# Altium PCB XTRXr5.PcbDoc (part 1 of 5)
Units mm, origin at the board's own origin, x right, y up, seen from the top; angles counter-clockwise.
Board outline 50.8 x 29.7 mm, 8 copper layers (Top Layer, Layer 2 Plain, Layer 3, Layer 4, Layer 5 Plane, Layer 6, Layer 7 Plane, Bottom Layer), stack 1.008 mm thick; 452 components, 359 nets, 1868 pads, 1040 vias.
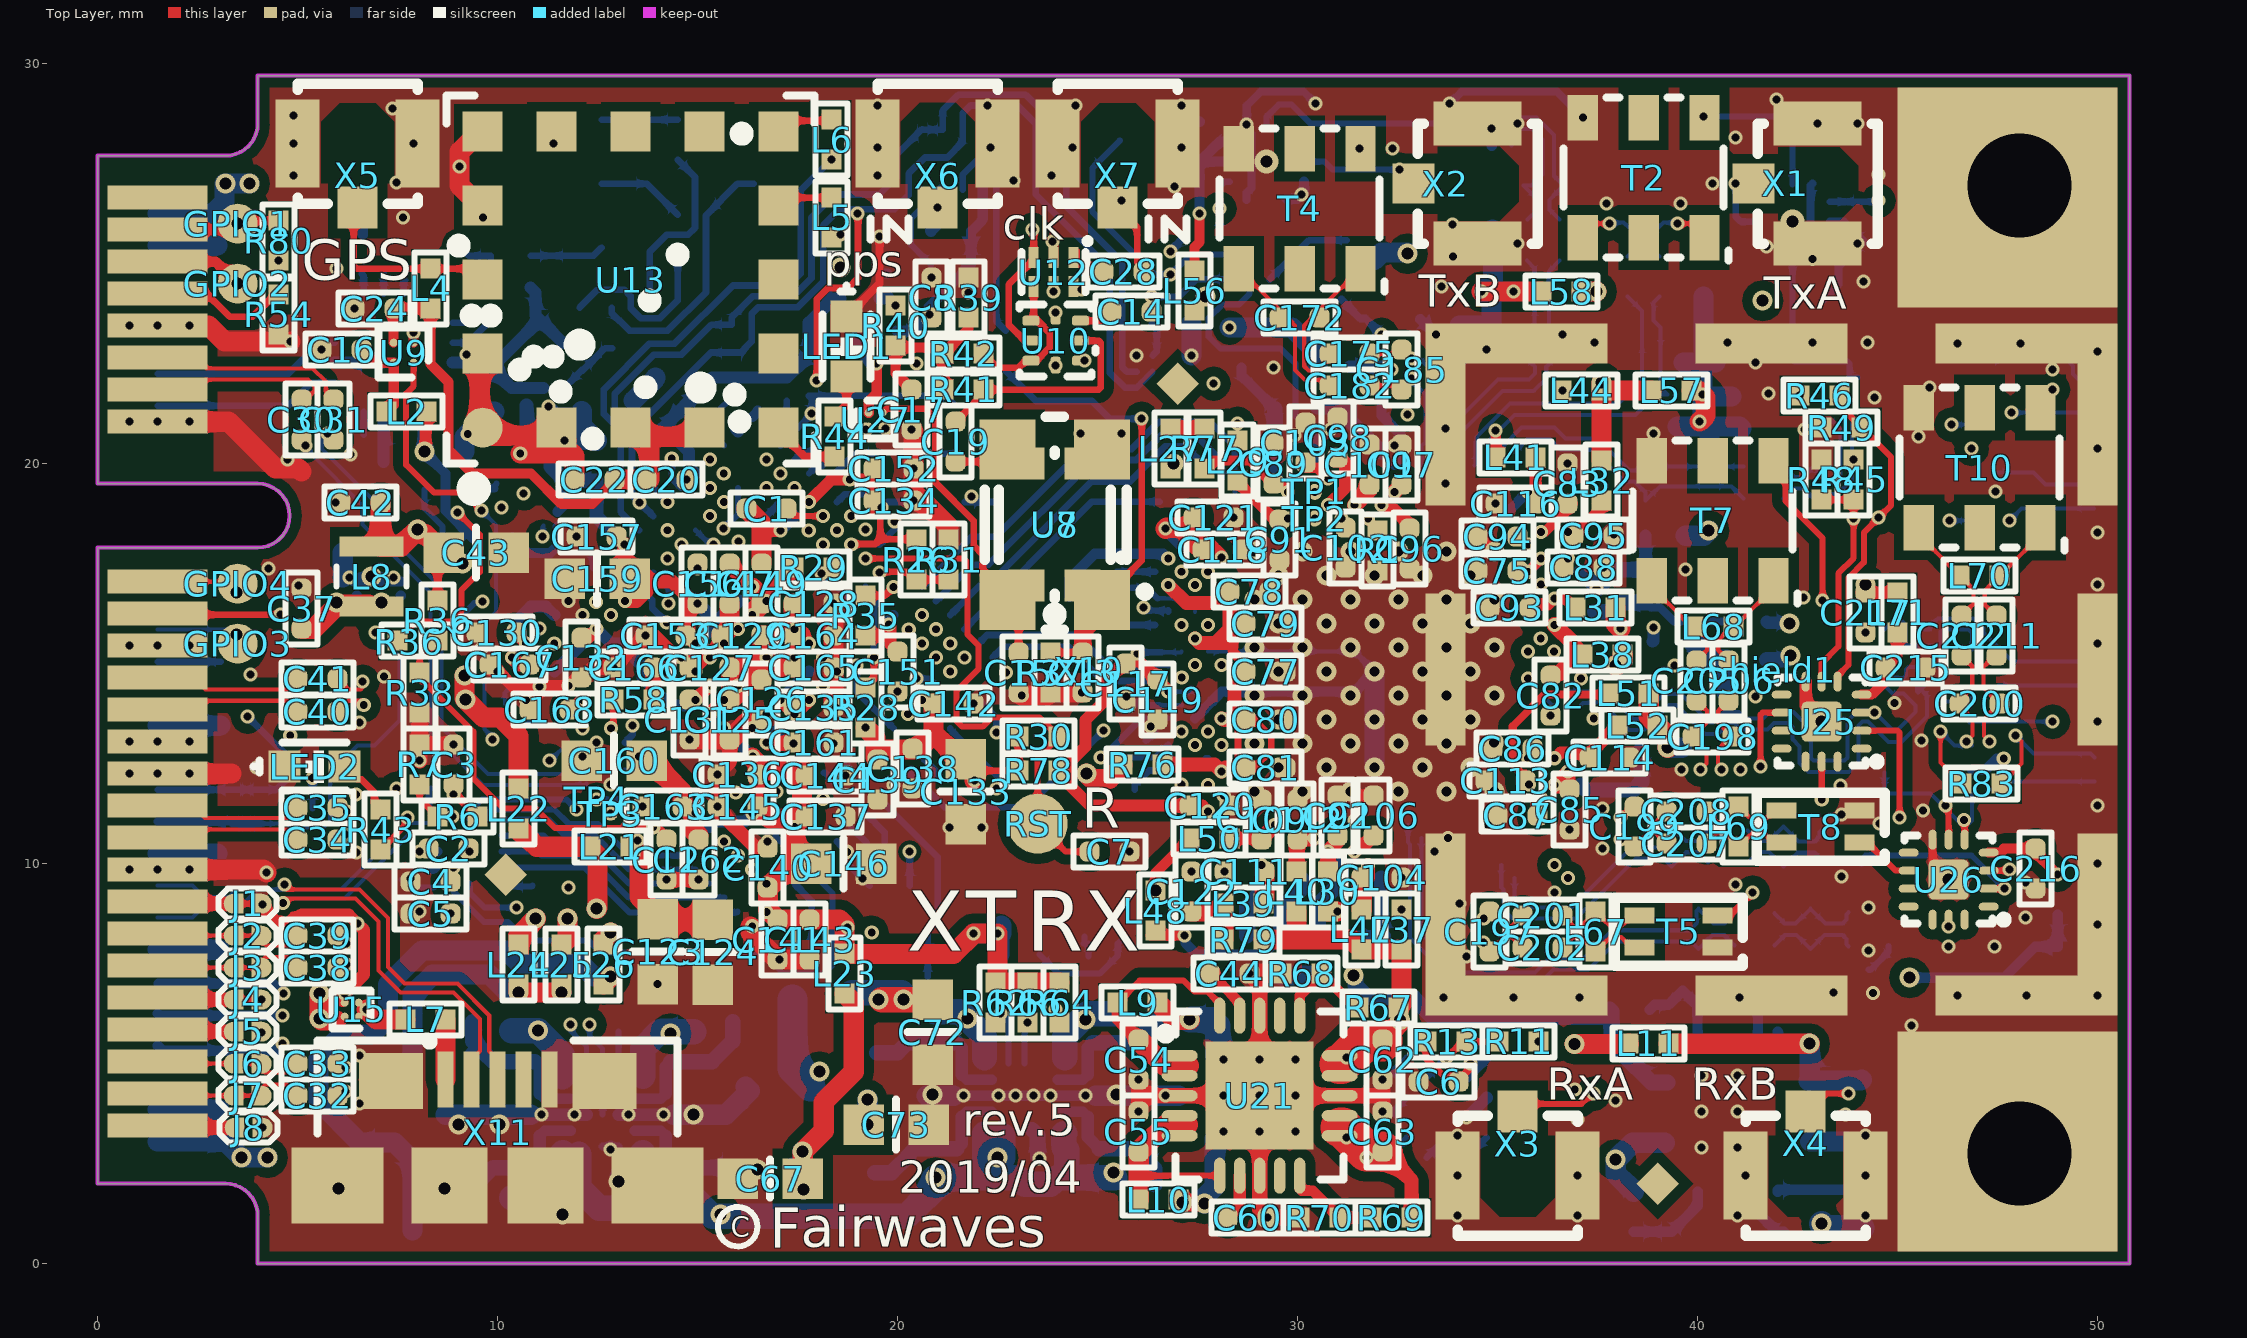
[diagram p0: Top Layer view]
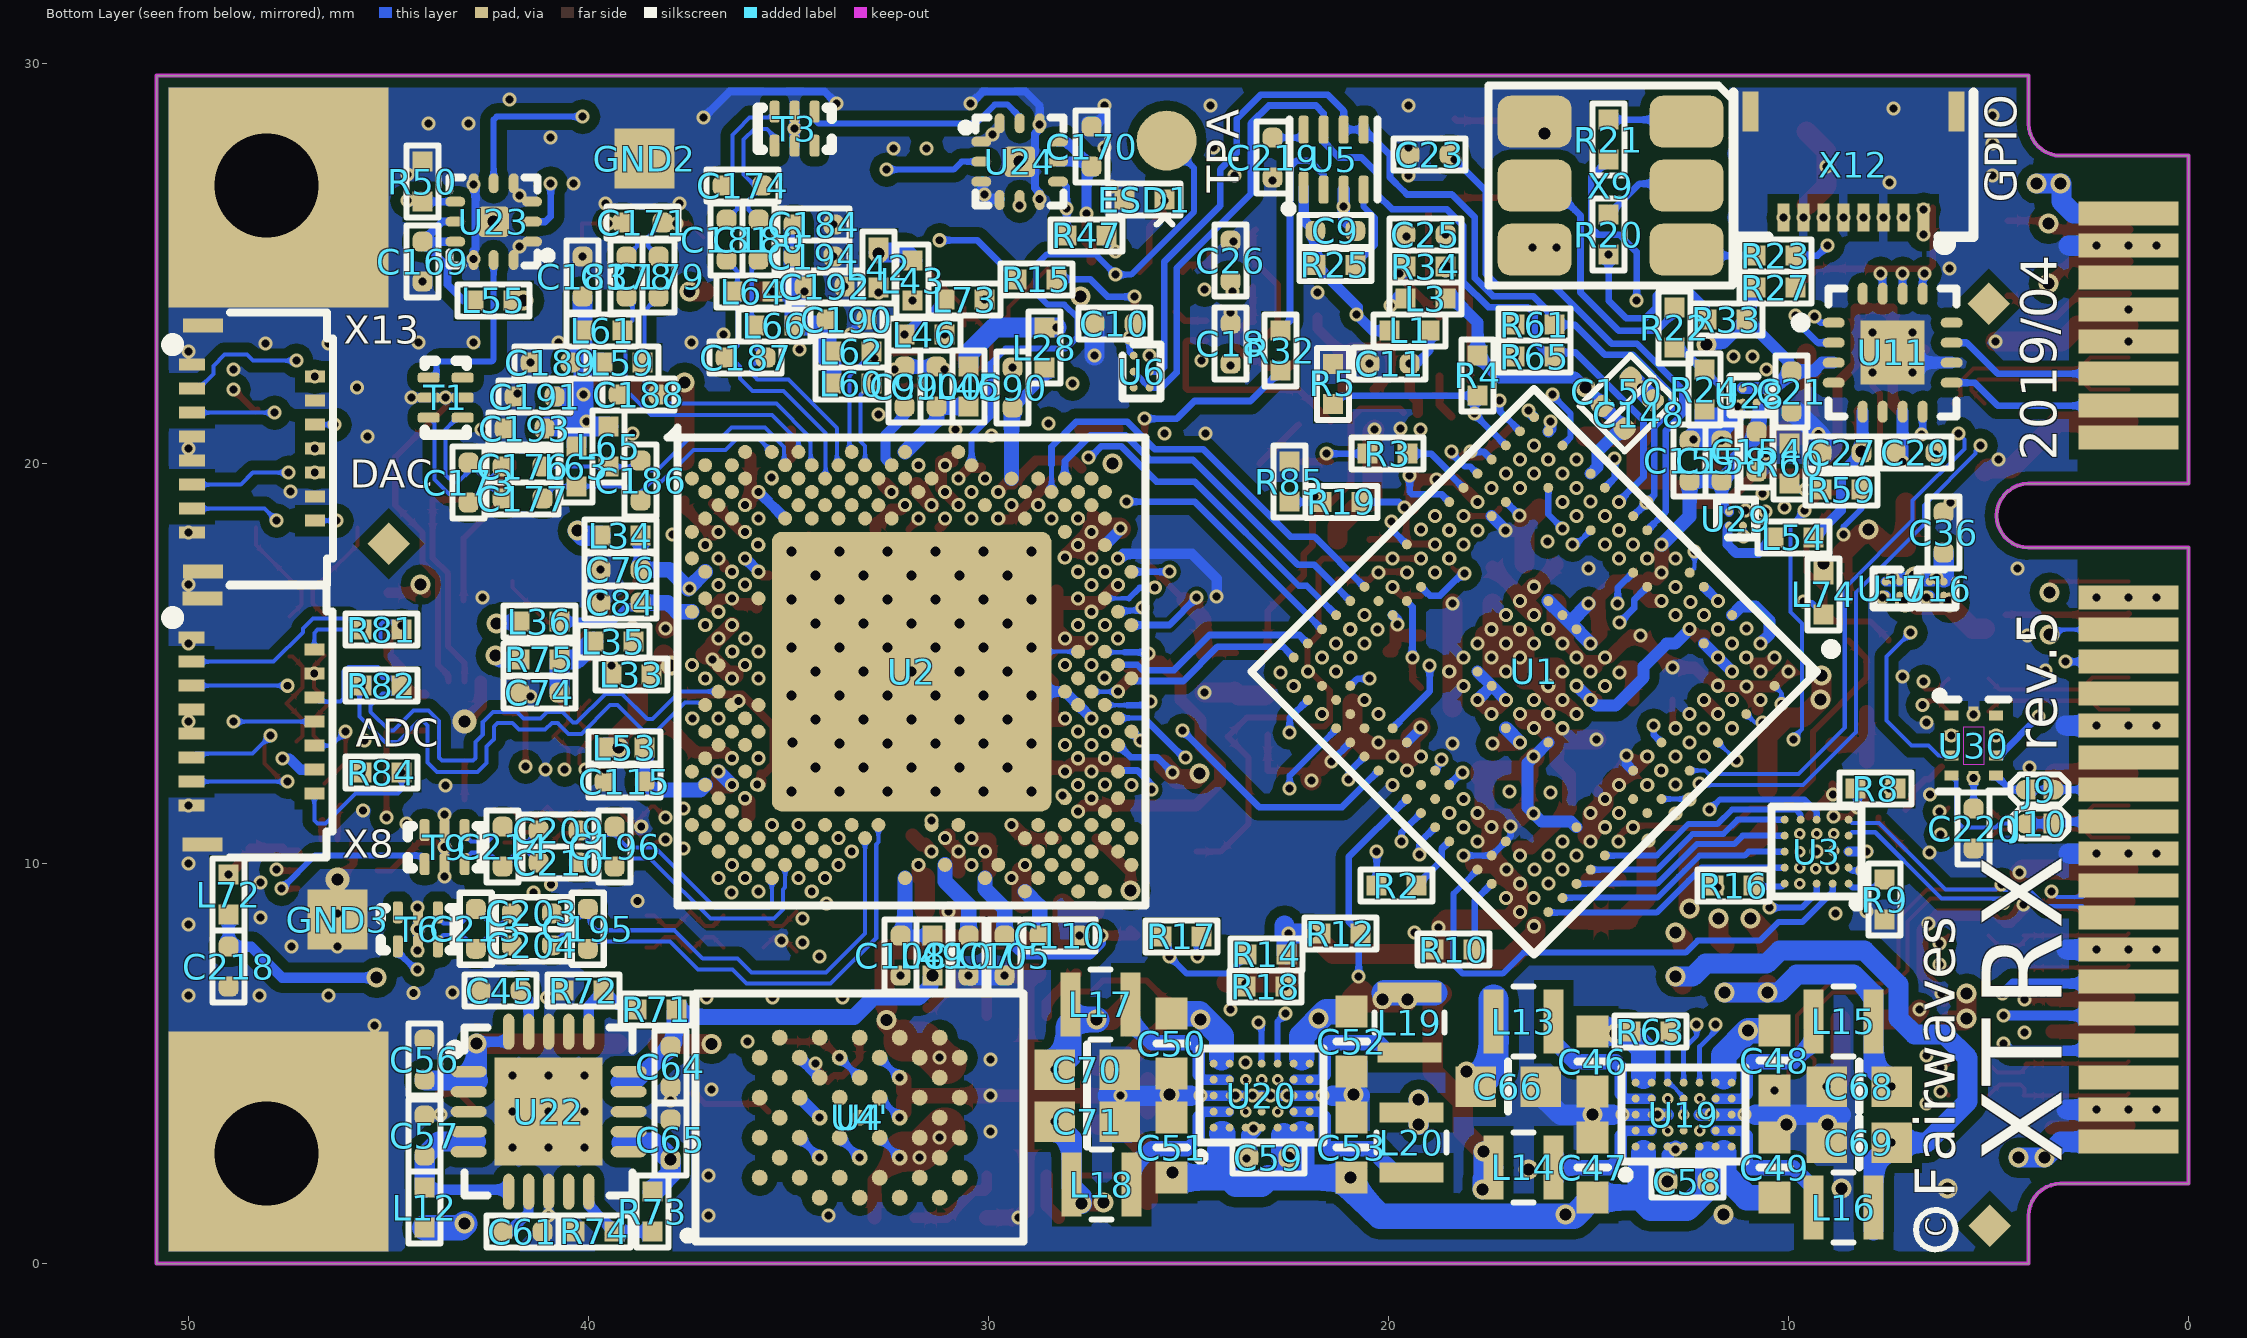
[diagram p1: Bottom Layer view, seen from below]
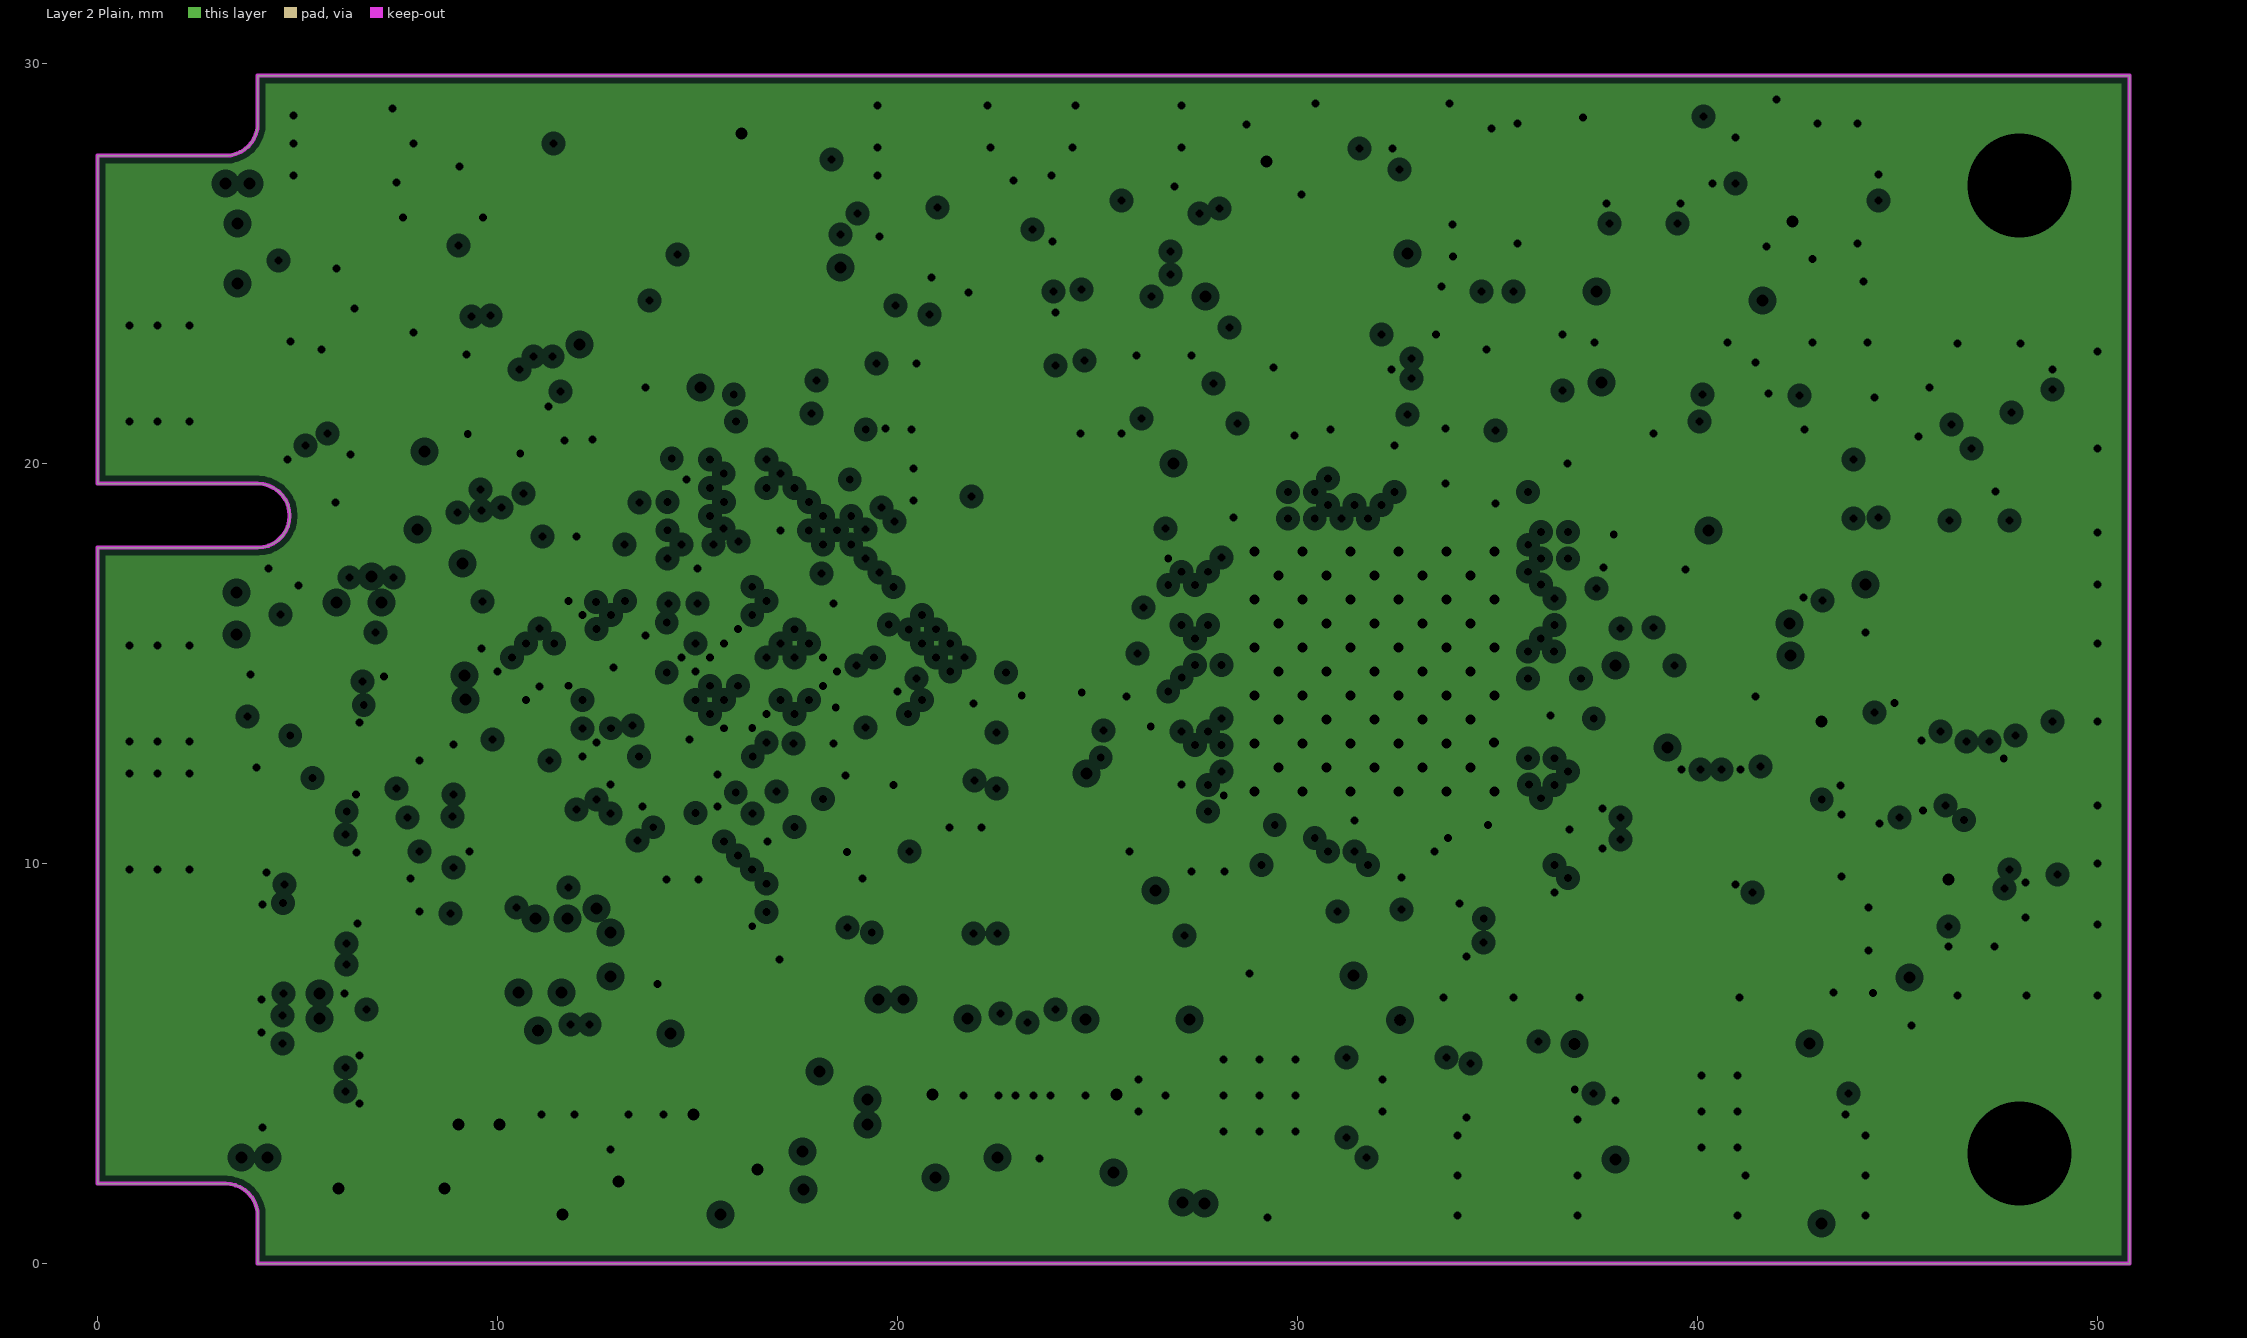
[diagram p2: Layer 2 Plain, clearances drawn from the general rule]
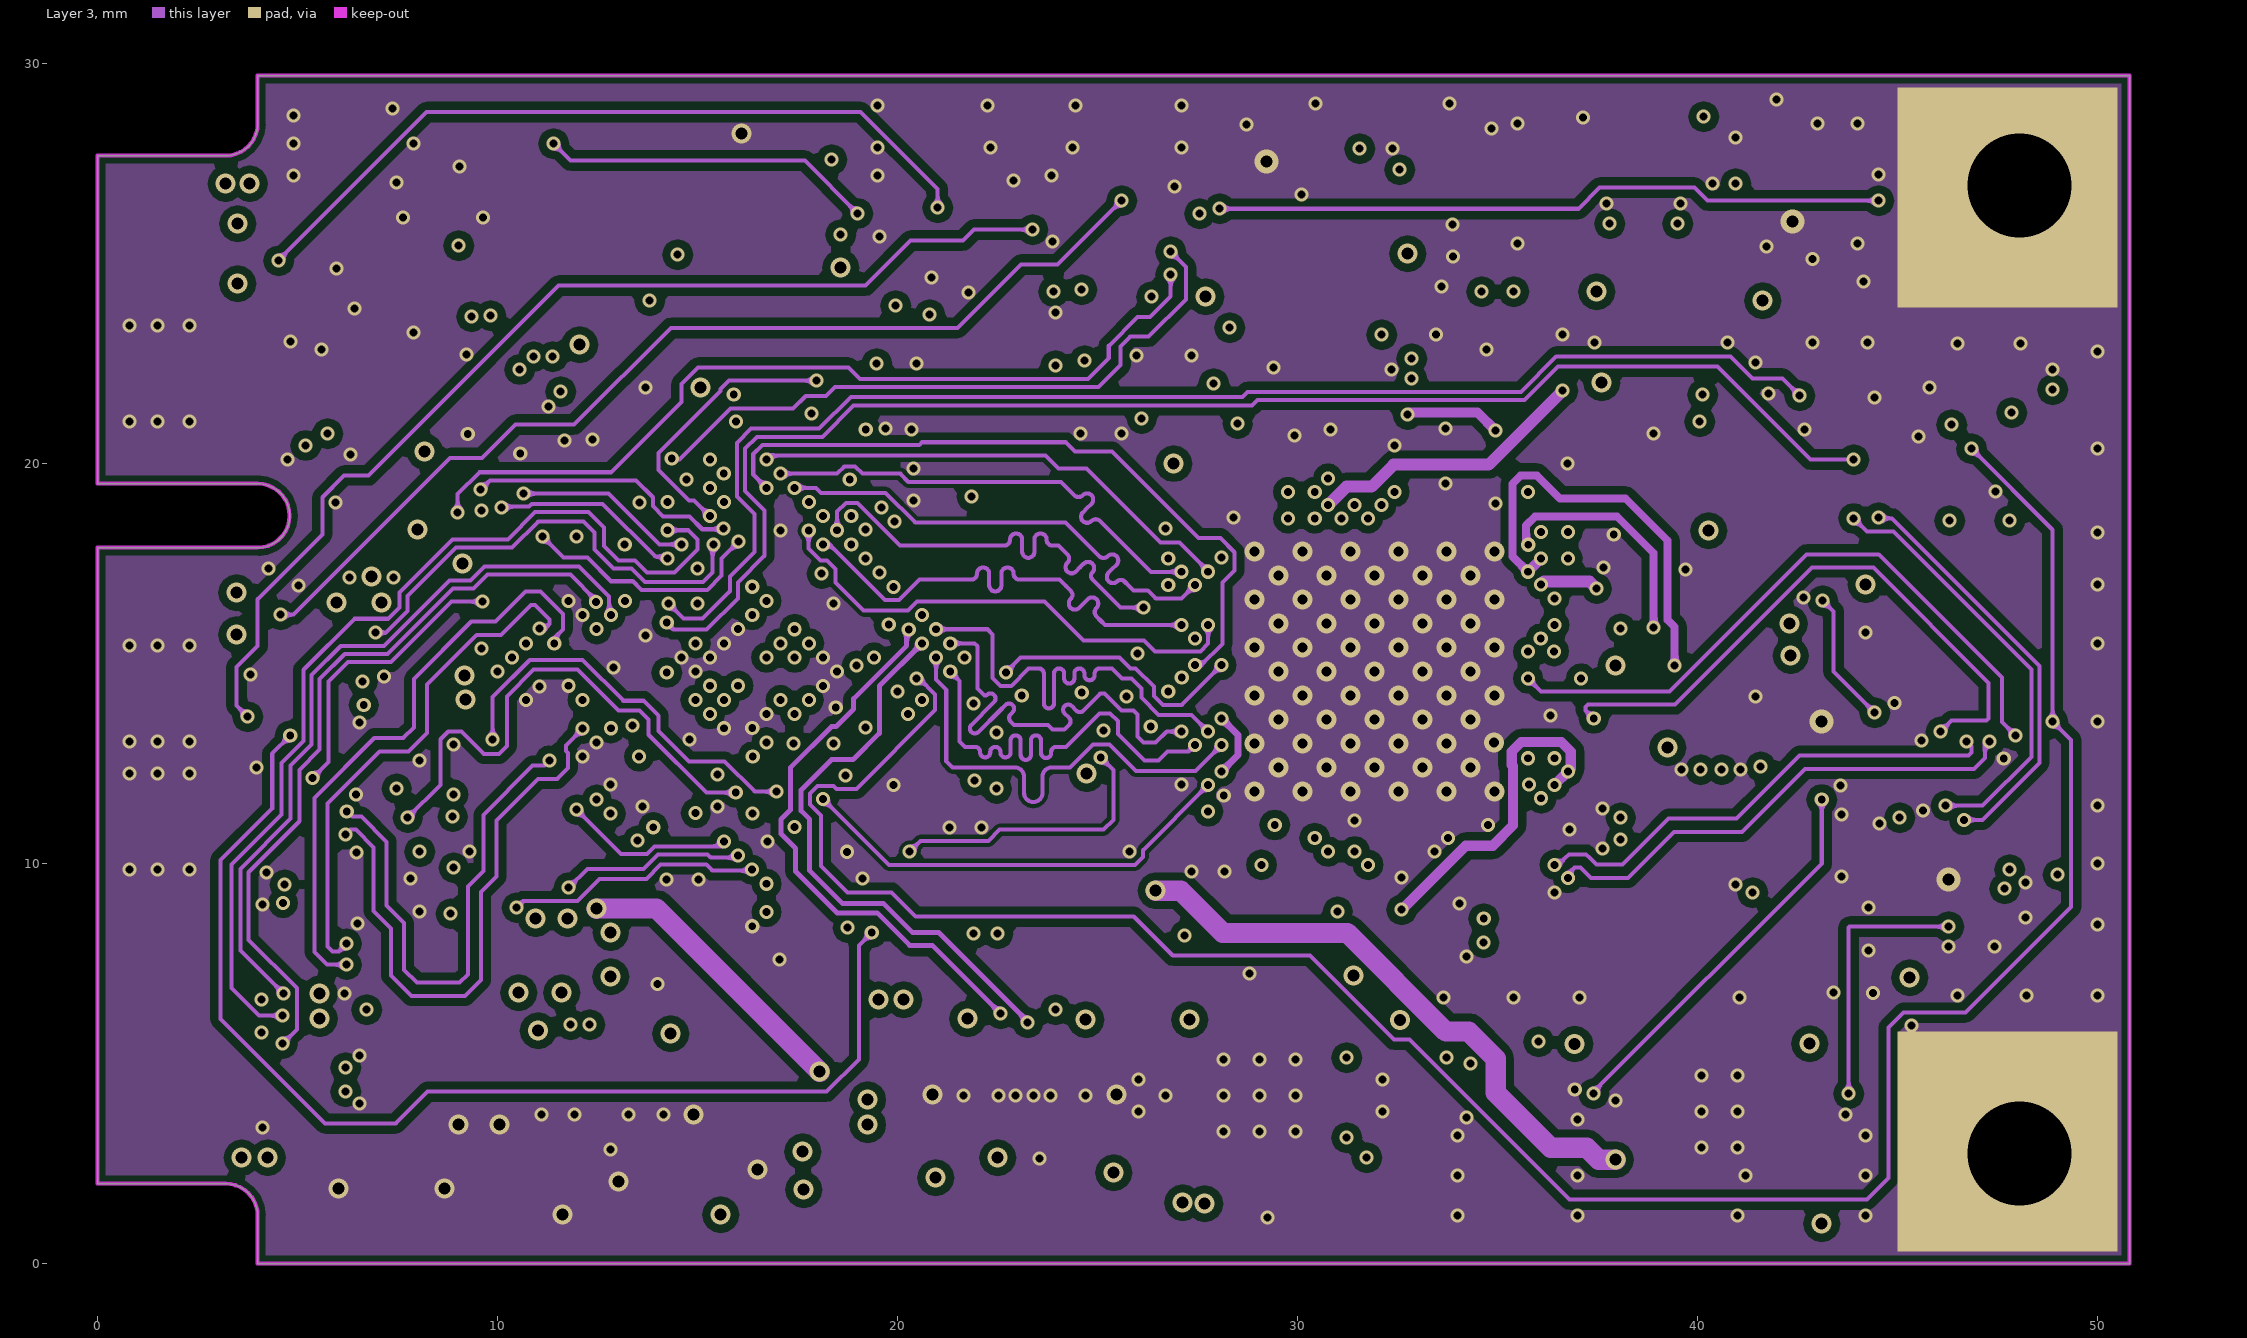
[diagram p3: Layer 3]
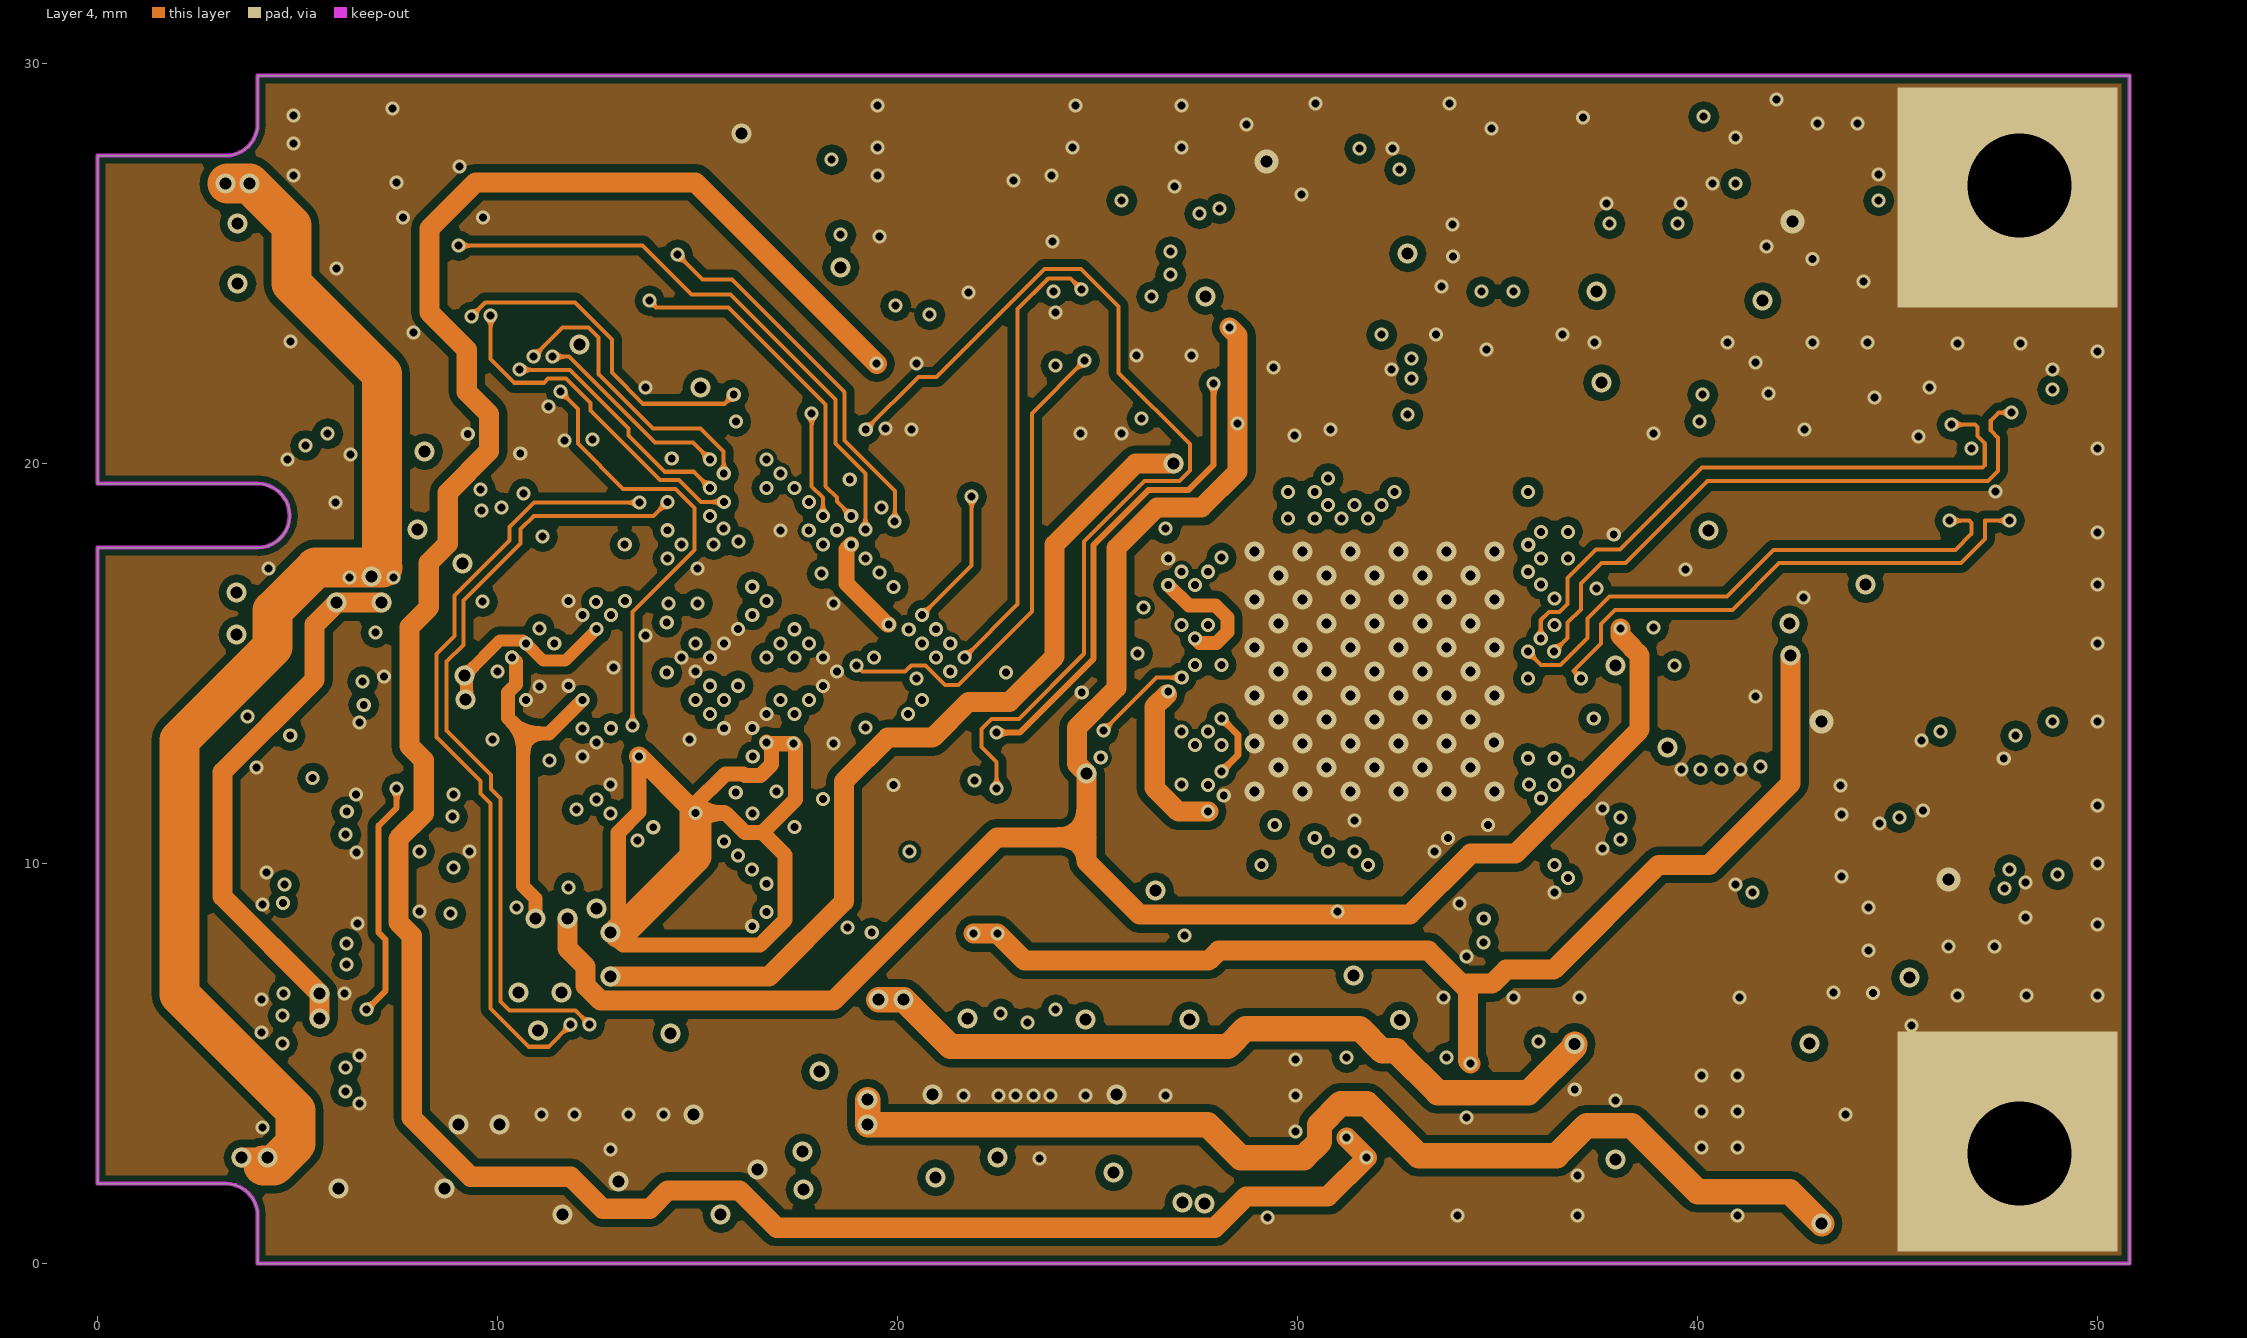
[diagram p4: Layer 4]